# Allegro board meta_module_lay_rev1.brd (continued)
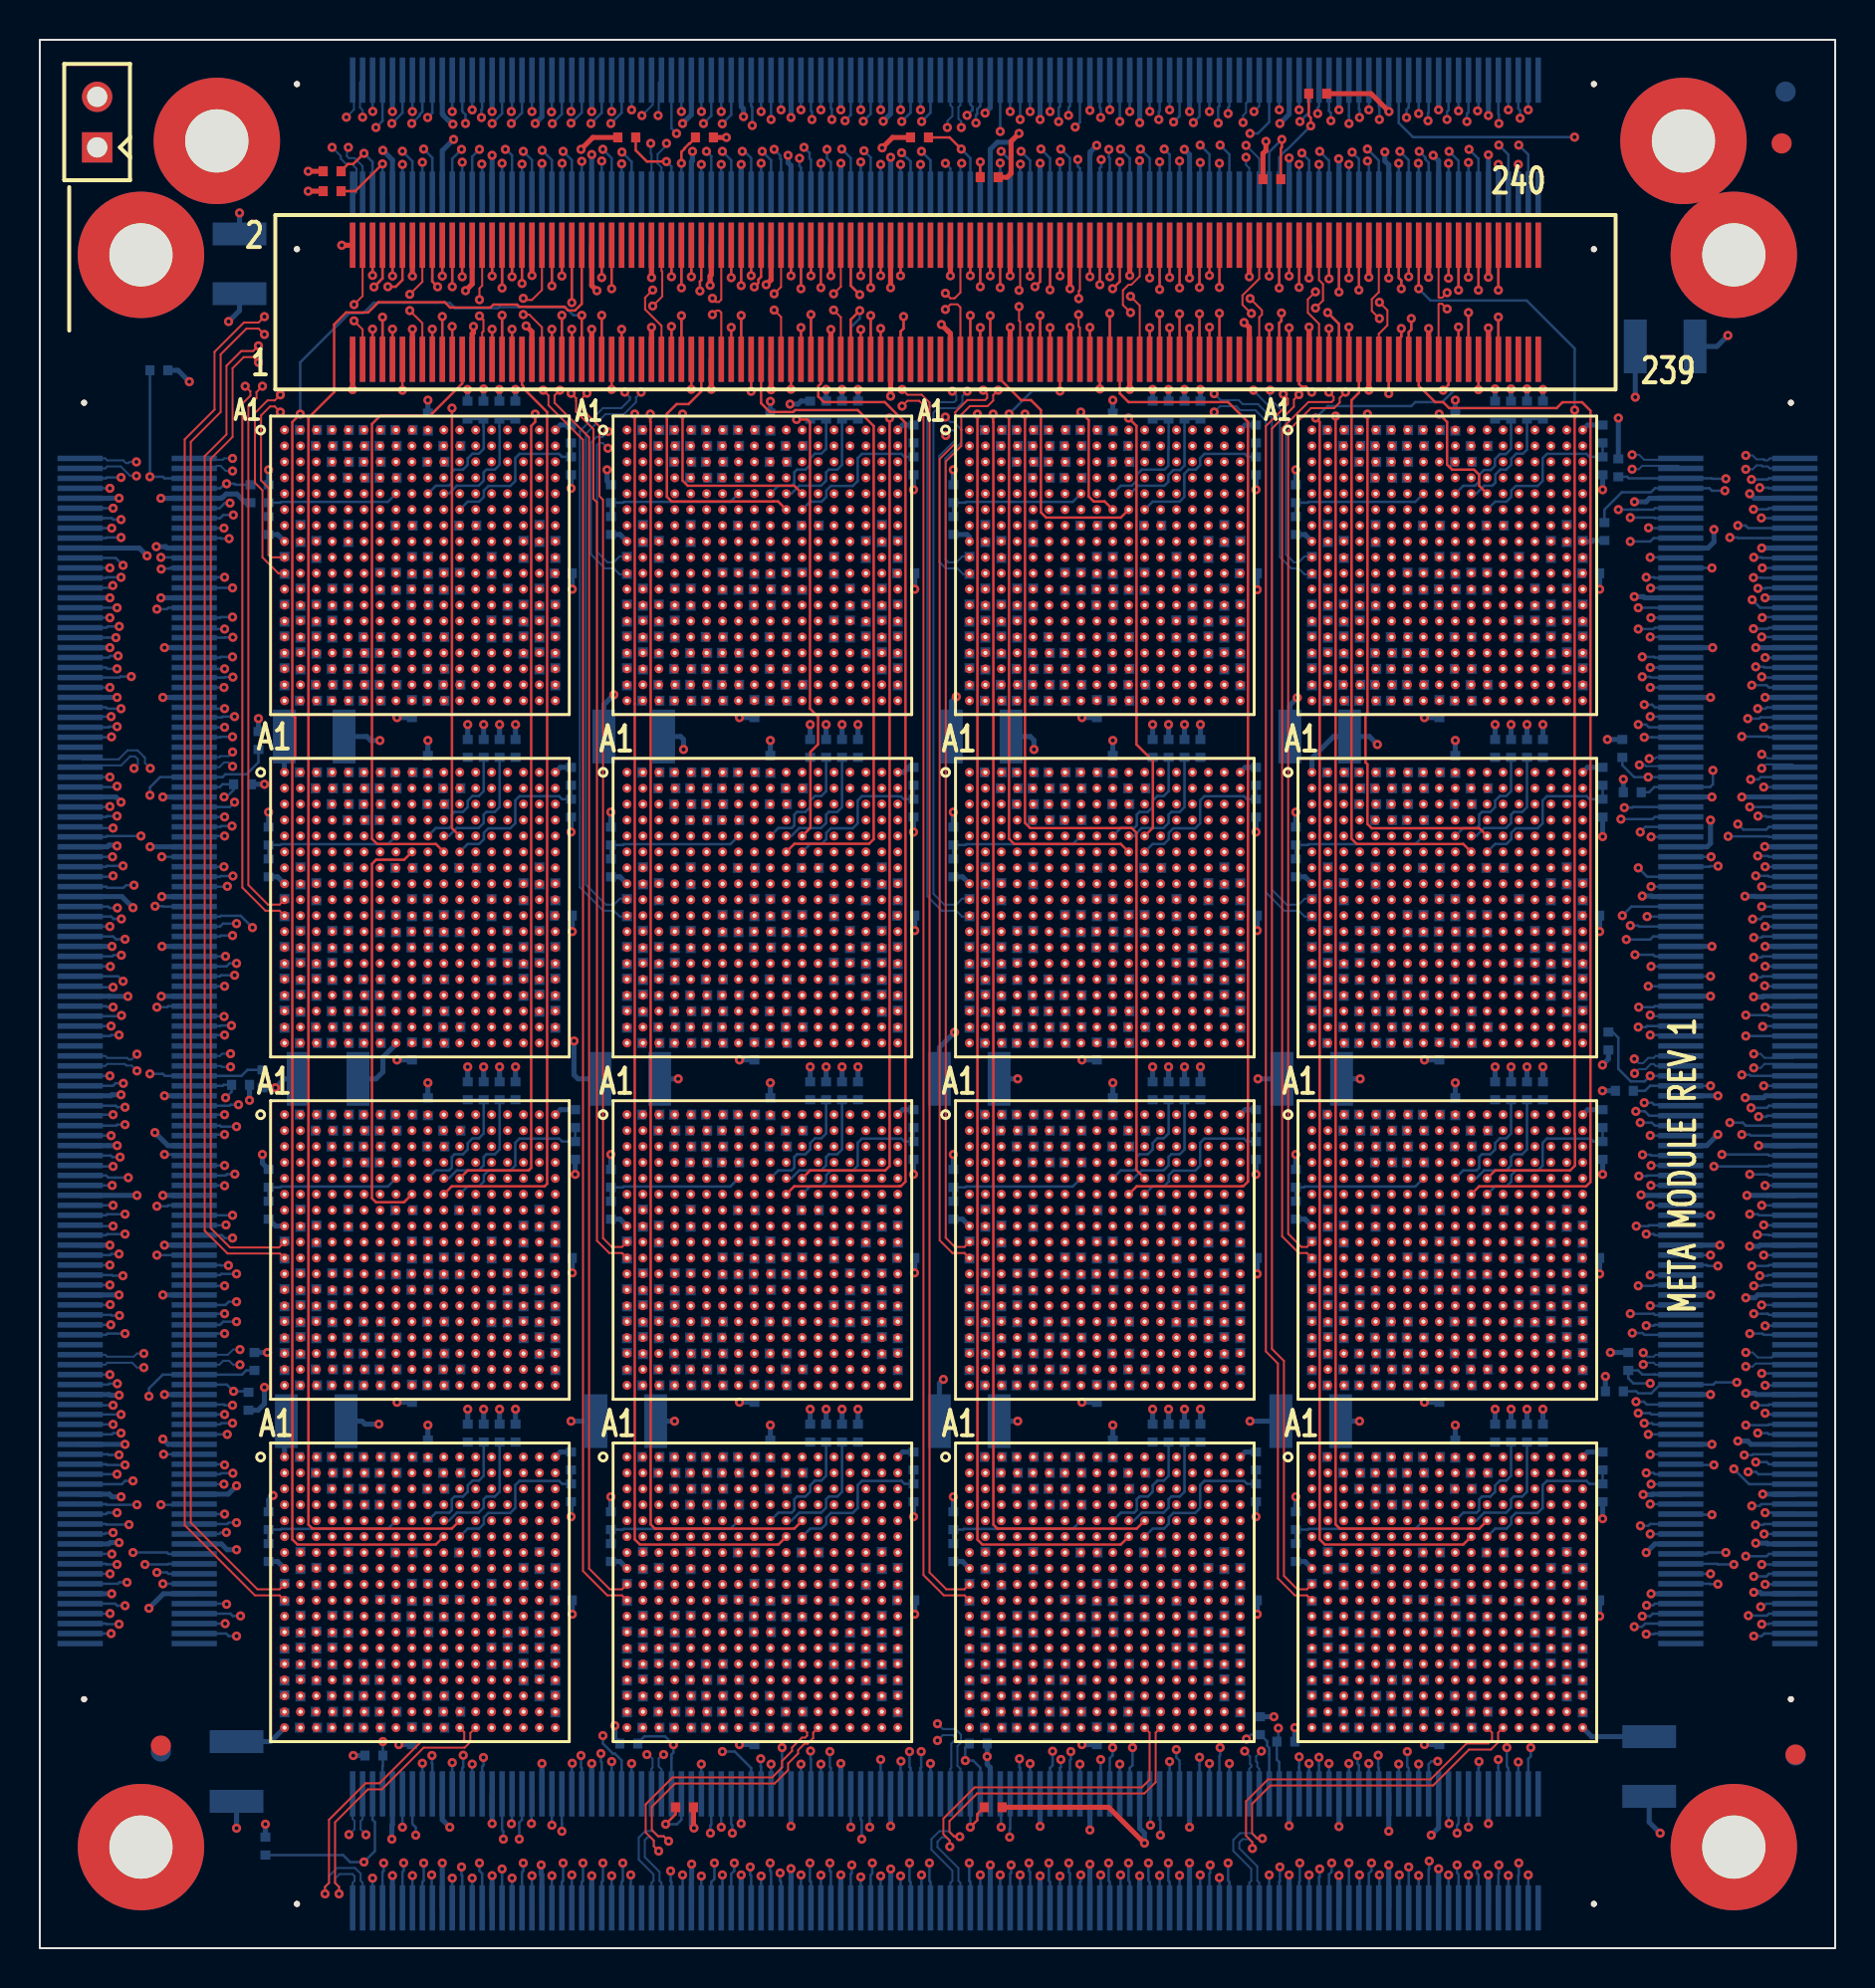
[diagram p0: board, top side]
## Nets (continued)
SN_DATA_P14_SNOW4-4: R743.1 U13.U15(SO_DATA_OUT_P6) U14.C7(NO_DATA_IN_P6)
SN_DATA_P15: R460.1 U2.V16(SO_DATA_OUT_P7) U9.D8(NO_DATA_IN_P7)
SN_DATA_P15_SNOW4-1: R61.1 U1.V16(SO_DATA_OUT_P7) U2.D8(NO_DATA_IN_P7)
SN_DATA_P15_SNOW4-2: R289.1 U5.V16(SO_DATA_OUT_P7) U6.D8(NO_DATA_IN_P7)
SN_DATA_P15_SNOW4-3: R517.1 U9.V16(SO_DATA_OUT_P7) U10.D8(NO_DATA_IN_P7)
SN_DATA_P15_SNOW4-4: R745.1 U13.V16(SO_DATA_OUT_P7) U14.D8(NO_DATA_IN_P7)
SN_DATA_P16: R799.1 U8.R11(SO_DATA_OUT_P0) U15.A3(NO_DATA_IN_P0)
SN_DATA_P17: R801.1 U8.T12(SO_DATA_OUT_P1) U15.B4(NO_DATA_IN_P1)
SN_DATA_P18: R803.1 U8.U13(SO_DATA_OUT_P2) U15.C5(NO_DATA_IN_P2)
SN_DATA_P19: R805.1 U8.V14(SO_DATA_OUT_P3) U15.D6(NO_DATA_IN_P3)
SN_DATA_P20: R807.1 U8.R13(SO_DATA_OUT_P4) U15.A5(NO_DATA_IN_P4)
SN_DATA_P21: R809.1 U8.T14(SO_DATA_OUT_P5) U15.B6(NO_DATA_IN_P5)
SN_DATA_P22: R800.1 U8.U15(SO_DATA_OUT_P6) U15.C7(NO_DATA_IN_P6)
SN_DATA_P23: R802.1 U8.V16(SO_DATA_OUT_P7) U15.D8(NO_DATA_IN_P7)
SN_DATA_P24: R685.1 U6.R11(SO_DATA_OUT_P0) U13.A3(NO_DATA_IN_P0)
SN_DATA_P25: R687.1 U6.T12(SO_DATA_OUT_P1) U13.B4(NO_DATA_IN_P1)
SN_DATA_P26: R689.1 U6.U13(SO_DATA_OUT_P2) U13.C5(NO_DATA_IN_P2)
SN_DATA_P27: R691.1 U6.V14(SO_DATA_OUT_P3) U13.D6(NO_DATA_IN_P3)
SN_DATA_P28: R693.1 U6.R13(SO_DATA_OUT_P4) U13.A5(NO_DATA_IN_P4)
SN_DATA_P29: R695.1 U6.T14(SO_DATA_OUT_P5) U13.B6(NO_DATA_IN_P5)
SN_DATA_P30: R686.1 U6.U15(SO_DATA_OUT_P6) U13.C7(NO_DATA_IN_P6)
SN_DATA_P31: R688.1 U6.V16(SO_DATA_OUT_P7) U13.D8(NO_DATA_IN_P7)
SN_FRAME_N0: R578.2 U4.R10(SO_FRAME_OUT_N) U11.B7(NO_FRAME_IN_N)
SN_FRAME_N0_SNOW4-1: R179.2 U3.R10(SO_FRAME_OUT_N) U4.B7(NO_FRAME_IN_N)
SN_FRAME_N0_SNOW4-2: R407.2 U7.R10(SO_FRAME_OUT_N) U8.B7(NO_FRAME_IN_N)
SN_FRAME_N0_SNOW4-3: R635.2 U11.R10(SO_FRAME_OUT_N) U12.B7(NO_FRAME_IN_N)
SN_FRAME_N0_SNOW4-4: R863.2 U15.R10(SO_FRAME_OUT_N) U16.B7(NO_FRAME_IN_N)
SN_FRAME_N1: R464.2 U2.R10(SO_FRAME_OUT_N) U9.B7(NO_FRAME_IN_N)
SN_FRAME_N1_SNOW4-1: R65.2 U1.R10(SO_FRAME_OUT_N) U2.B7(NO_FRAME_IN_N)
SN_FRAME_N1_SNOW4-2: R293.2 U5.R10(SO_FRAME_OUT_N) U6.B7(NO_FRAME_IN_N)
SN_FRAME_N1_SNOW4-3: R521.2 U9.R10(SO_FRAME_OUT_N) U10.B7(NO_FRAME_IN_N)
SN_FRAME_N1_SNOW4-4: R749.2 U13.R10(SO_FRAME_OUT_N) U14.B7(NO_FRAME_IN_N)
SN_FRAME_N2: R806.2 U8.R10(SO_FRAME_OUT_N) U15.B7(NO_FRAME_IN_N)
SN_FRAME_N3: R692.2 U6.R10(SO_FRAME_OUT_N) U13.B7(NO_FRAME_IN_N)
SN_FRAME_P0: R578.1 U4.R9(SO_FRAME_OUT_P) U11.B8(NO_FRAME_IN_P)
SN_FRAME_P0_SNOW4-1: R179.1 U3.R9(SO_FRAME_OUT_P) U4.B8(NO_FRAME_IN_P)
SN_FRAME_P0_SNOW4-2: R407.1 U7.R9(SO_FRAME_OUT_P) U8.B8(NO_FRAME_IN_P)
SN_FRAME_P0_SNOW4-3: R635.1 U11.R9(SO_FRAME_OUT_P) U12.B8(NO_FRAME_IN_P)
SN_FRAME_P0_SNOW4-4: R863.1 U15.R9(SO_FRAME_OUT_P) U16.B8(NO_FRAME_IN_P)
SN_FRAME_P1: R464.1 U2.R9(SO_FRAME_OUT_P) U9.B8(NO_FRAME_IN_P)
SN_FRAME_P1_SNOW4-1: R65.1 U1.R9(SO_FRAME_OUT_P) U2.B8(NO_FRAME_IN_P)
SN_FRAME_P1_SNOW4-2: R293.1 U5.R9(SO_FRAME_OUT_P) U6.B8(NO_FRAME_IN_P)
SN_FRAME_P1_SNOW4-3: R521.1 U9.R9(SO_FRAME_OUT_P) U10.B8(NO_FRAME_IN_P)
SN_FRAME_P1_SNOW4-4: R749.1 U13.R9(SO_FRAME_OUT_P) U14.B8(NO_FRAME_IN_P)
SN_FRAME_P2: R806.1 U8.R9(SO_FRAME_OUT_P) U15.B8(NO_FRAME_IN_P)
SN_FRAME_P3: R692.1 U6.R9(SO_FRAME_OUT_P) U13.B8(NO_FRAME_IN_P)
SN_LCLK_N0: R576.2 U4.V13(SO_LCLK_OUT_N) U11.A6(NO_LCLK_IN_N)
SN_LCLK_N0_SNOW4-1: R177.2 U3.V13(SO_LCLK_OUT_N) U4.A6(NO_LCLK_IN_N)
SN_LCLK_N0_SNOW4-2: R405.2 U7.V13(SO_LCLK_OUT_N) U8.A6(NO_LCLK_IN_N)
SN_LCLK_N0_SNOW4-3: R633.2 U11.V13(SO_LCLK_OUT_N) U12.A6(NO_LCLK_IN_N)
SN_LCLK_N0_SNOW4-4: R861.2 U15.V13(SO_LCLK_OUT_N) U16.A6(NO_LCLK_IN_N)
SN_LCLK_N1: R462.2 U2.V13(SO_LCLK_OUT_N) U9.A6(NO_LCLK_IN_N)
SN_LCLK_N1_SNOW4-1: R63.2 U1.V13(SO_LCLK_OUT_N) U2.A6(NO_LCLK_IN_N)
SN_LCLK_N1_SNOW4-2: R291.2 U5.V13(SO_LCLK_OUT_N) U6.A6(NO_LCLK_IN_N)
SN_LCLK_N1_SNOW4-3: R519.2 U9.V13(SO_LCLK_OUT_N) U10.A6(NO_LCLK_IN_N)
SN_LCLK_N1_SNOW4-4: R747.2 U13.V13(SO_LCLK_OUT_N) U14.A6(NO_LCLK_IN_N)
SN_LCLK_N2: R804.2 U8.V13(SO_LCLK_OUT_N) U15.A6(NO_LCLK_IN_N)
SN_LCLK_N3: R690.2 U6.V13(SO_LCLK_OUT_N) U13.A6(NO_LCLK_IN_N)
SN_LCLK_P0: R576.1 U4.V12(SO_LCLK_OUT_P) U11.A7(NO_LCLK_IN_P)
SN_LCLK_P0_SNOW4-1: R177.1 U3.V12(SO_LCLK_OUT_P) U4.A7(NO_LCLK_IN_P)
SN_LCLK_P0_SNOW4-2: R405.1 U7.V12(SO_LCLK_OUT_P) U8.A7(NO_LCLK_IN_P)
SN_LCLK_P0_SNOW4-3: R633.1 U11.V12(SO_LCLK_OUT_P) U12.A7(NO_LCLK_IN_P)
SN_LCLK_P0_SNOW4-4: R861.1 U15.V12(SO_LCLK_OUT_P) U16.A7(NO_LCLK_IN_P)
SN_LCLK_P1: R462.1 U2.V12(SO_LCLK_OUT_P) U9.A7(NO_LCLK_IN_P)
SN_LCLK_P1_SNOW4-1: R63.1 U1.V12(SO_LCLK_OUT_P) U2.A7(NO_LCLK_IN_P)
SN_LCLK_P1_SNOW4-2: R291.1 U5.V12(SO_LCLK_OUT_P) U6.A7(NO_LCLK_IN_P)
SN_LCLK_P1_SNOW4-3: R519.1 U9.V12(SO_LCLK_OUT_P) U10.A7(NO_LCLK_IN_P)
SN_LCLK_P1_SNOW4-4: R747.1 U13.V12(SO_LCLK_OUT_P) U14.A7(NO_LCLK_IN_P)
SN_LCLK_P2: R804.1 U8.V12(SO_LCLK_OUT_P) U15.A7(NO_LCLK_IN_P)
SN_LCLK_P3: R690.1 U6.V12(SO_LCLK_OUT_P) U13.A7(NO_LCLK_IN_P)
SN_WAIT_RD_N0: R580.2 U4.U10(SO_WAIT_RD_OUT_N) U11.B11(NO_WAIT_RD_IN_N)
SN_WAIT_RD_N0_SNOW4-1: R181.2 U3.U10(SO_WAIT_RD_OUT_N) U4.B11(NO_WAIT_RD_IN_N)
SN_WAIT_RD_N0_SNOW4-2: R409.2 U7.U10(SO_WAIT_RD_OUT_N) U8.B11(NO_WAIT_RD_IN_N)
SN_WAIT_RD_N0_SNOW4-3: R637.2 U11.U10(SO_WAIT_RD_OUT_N) U12.B11(NO_WAIT_RD_IN_N)
SN_WAIT_RD_N0_SNOW4-4: R865.2 U15.U10(SO_WAIT_RD_OUT_N) U16.B11(NO_WAIT_RD_IN_N)
SN_WAIT_RD_N1: R466.2 U2.U10(SO_WAIT_RD_OUT_N) U9.B11(NO_WAIT_RD_IN_N)
SN_WAIT_RD_N1_SNOW4-1: R67.2 U1.U10(SO_WAIT_RD_OUT_N) U2.B11(NO_WAIT_RD_IN_N)
SN_WAIT_RD_N1_SNOW4-2: R295.2 U5.U10(SO_WAIT_RD_OUT_N) U6.B11(NO_WAIT_RD_IN_N)
SN_WAIT_RD_N1_SNOW4-3: R523.2 U9.U10(SO_WAIT_RD_OUT_N) U10.B11(NO_WAIT_RD_IN_N)
SN_WAIT_RD_N1_SNOW4-4: R751.2 U13.U10(SO_WAIT_RD_OUT_N) U14.B11(NO_WAIT_RD_IN_N)
SN_WAIT_RD_N2: R808.2 U8.U10(SO_WAIT_RD_OUT_N) U15.B11(NO_WAIT_RD_IN_N)
SN_WAIT_RD_N3: R694.2 U6.U10(SO_WAIT_RD_OUT_N) U13.B11(NO_WAIT_RD_IN_N)
SN_WAIT_RD_P0: R580.1 U4.U9(SO_WAIT_RD_OUT_P) U11.B12(NO_WAIT_RD_IN_P)
SN_WAIT_RD_P0_SNOW4-1: R181.1 U3.U9(SO_WAIT_RD_OUT_P) U4.B12(NO_WAIT_RD_IN_P)
SN_WAIT_RD_P0_SNOW4-2: R409.1 U7.U9(SO_WAIT_RD_OUT_P) U8.B12(NO_WAIT_RD_IN_P)
SN_WAIT_RD_P0_SNOW4-3: R637.1 U11.U9(SO_WAIT_RD_OUT_P) U12.B12(NO_WAIT_RD_IN_P)
SN_WAIT_RD_P0_SNOW4-4: R865.1 U15.U9(SO_WAIT_RD_OUT_P) U16.B12(NO_WAIT_RD_IN_P)
SN_WAIT_RD_P1: R466.1 U2.U9(SO_WAIT_RD_OUT_P) U9.B12(NO_WAIT_RD_IN_P)
SN_WAIT_RD_P1_SNOW4-1: R67.1 U1.U9(SO_WAIT_RD_OUT_P) U2.B12(NO_WAIT_RD_IN_P)
SN_WAIT_RD_P1_SNOW4-2: R295.1 U5.U9(SO_WAIT_RD_OUT_P) U6.B12(NO_WAIT_RD_IN_P)
SN_WAIT_RD_P1_SNOW4-3: R523.1 U9.U9(SO_WAIT_RD_OUT_P) U10.B12(NO_WAIT_RD_IN_P)
SN_WAIT_RD_P1_SNOW4-4: R751.1 U13.U9(SO_WAIT_RD_OUT_P) U14.B12(NO_WAIT_RD_IN_P)
SN_WAIT_RD_P2: R808.1 U8.U9(SO_WAIT_RD_OUT_P) U15.B12(NO_WAIT_RD_IN_P)
SN_WAIT_RD_P3: R694.1 U6.U9(SO_WAIT_RD_OUT_P) U13.B12(NO_WAIT_RD_IN_P)
SN_WAIT_WR_N0: R582.2 U4.T9(SO_WAIT_WR_OUT_N) U11.C10(NO_WAIT_WR_IN_N)
SN_WAIT_WR_N0_SNOW4-1: R183.2 U3.T9(SO_WAIT_WR_OUT_N) U4.C10(NO_WAIT_WR_IN_N)
SN_WAIT_WR_N0_SNOW4-2: R411.2 U7.T9(SO_WAIT_WR_OUT_N) U8.C10(NO_WAIT_WR_IN_N)
SN_WAIT_WR_N0_SNOW4-3: R639.2 U11.T9(SO_WAIT_WR_OUT_N) U12.C10(NO_WAIT_WR_IN_N)
SN_WAIT_WR_N0_SNOW4-4: R867.2 U15.T9(SO_WAIT_WR_OUT_N) U16.C10(NO_WAIT_WR_IN_N)
SN_WAIT_WR_N1: R468.2 U2.T9(SO_WAIT_WR_OUT_N) U9.C10(NO_WAIT_WR_IN_N)
SN_WAIT_WR_N1_SNOW4-1: R69.2 U1.T9(SO_WAIT_WR_OUT_N) U2.C10(NO_WAIT_WR_IN_N)
SN_WAIT_WR_N1_SNOW4-2: R297.2 U5.T9(SO_WAIT_WR_OUT_N) U6.C10(NO_WAIT_WR_IN_N)
SN_WAIT_WR_N1_SNOW4-3: R525.2 U9.T9(SO_WAIT_WR_OUT_N) U10.C10(NO_WAIT_WR_IN_N)
SN_WAIT_WR_N1_SNOW4-4: R753.2 U13.T9(SO_WAIT_WR_OUT_N) U14.C10(NO_WAIT_WR_IN_N)
SN_WAIT_WR_N2: R810.2 U8.T9(SO_WAIT_WR_OUT_N) U15.C10(NO_WAIT_WR_IN_N)
SN_WAIT_WR_N3: R696.2 U6.T9(SO_WAIT_WR_OUT_N) U13.C10(NO_WAIT_WR_IN_N)
SN_WAIT_WR_P0: R582.1 U4.T8(SO_WAIT_WR_OUT_P) U11.C11(NO_WAIT_WR_IN_P)
SN_WAIT_WR_P0_SNOW4-1: R183.1 U3.T8(SO_WAIT_WR_OUT_P) U4.C11(NO_WAIT_WR_IN_P)
SN_WAIT_WR_P0_SNOW4-2: R411.1 U7.T8(SO_WAIT_WR_OUT_P) U8.C11(NO_WAIT_WR_IN_P)
SN_WAIT_WR_P0_SNOW4-3: R639.1 U11.T8(SO_WAIT_WR_OUT_P) U12.C11(NO_WAIT_WR_IN_P)
SN_WAIT_WR_P0_SNOW4-4: R867.1 U15.T8(SO_WAIT_WR_OUT_P) U16.C11(NO_WAIT_WR_IN_P)
SN_WAIT_WR_P1: R468.1 U2.T8(SO_WAIT_WR_OUT_P) U9.C11(NO_WAIT_WR_IN_P)
SN_WAIT_WR_P1_SNOW4-1: R69.1 U1.T8(SO_WAIT_WR_OUT_P) U2.C11(NO_WAIT_WR_IN_P)
SN_WAIT_WR_P1_SNOW4-2: R297.1 U5.T8(SO_WAIT_WR_OUT_P) U6.C11(NO_WAIT_WR_IN_P)
SN_WAIT_WR_P1_SNOW4-3: R525.1 U9.T8(SO_WAIT_WR_OUT_P) U10.C11(NO_WAIT_WR_IN_P)
SN_WAIT_WR_P1_SNOW4-4: R753.1 U13.T8(SO_WAIT_WR_OUT_P) U14.C11(NO_WAIT_WR_IN_P)
SN_WAIT_WR_P2: R810.1 U8.T8(SO_WAIT_WR_OUT_P) U15.C11(NO_WAIT_WR_IN_P)
SN_WAIT_WR_P3: R696.1 U6.T8(SO_WAIT_WR_OUT_P) U13.C11(NO_WAIT_WR_IN_P)
SO_DATA_IN_N0: J5.21 R666.2 U12.V3(SO_DATA_IN_N0)
SO_DATA_IN_N1: J5.25 R668.2 U12.U4(SO_DATA_IN_N1)
SO_DATA_IN_N2: J5.31 R664.2 U12.T5(SO_DATA_IN_N2)
SO_DATA_IN_N3: J5.35 R670.2 U12.R6(SO_DATA_IN_N3)
SO_DATA_IN_N4: J5.41 R672.2 U12.V5(SO_DATA_IN_N4)
SO_DATA_IN_N5: J5.45 R674.2 U12.U6(SO_DATA_IN_N5)
SO_DATA_IN_N6: J5.51 R667.2 U12.T7(SO_DATA_IN_N6)
SO_DATA_IN_N7: J5.55 R669.2 U12.R8(SO_DATA_IN_N7)
SO_DATA_IN_N8: J5.81(21) R552.2 U10.V3(SO_DATA_IN_N0)
SO_DATA_IN_N9: J5.85(25) R554.2 U10.U4(SO_DATA_IN_N1)
SO_DATA_IN_N10: J5.91(31) R550.2 U10.T5(SO_DATA_IN_N2)
SO_DATA_IN_N11: J5.95(35) R556.2 U10.R6(SO_DATA_IN_N3)
SO_DATA_IN_N12: J5.101(41) R558.2 U10.V5(SO_DATA_IN_N4)
SO_DATA_IN_N13: J5.105(45) R560.2 U10.U6(SO_DATA_IN_N5)
SO_DATA_IN_N14: J5.111(51) R553.2 U10.T7(SO_DATA_IN_N6)
SO_DATA_IN_N15: J5.115(55) R555.2 U10.R8(SO_DATA_IN_N7)
SO_DATA_IN_N16: J5.141(21) R894.2 U16.V3(SO_DATA_IN_N0)
SO_DATA_IN_N17: J5.145(25) R896.2 U16.U4(SO_DATA_IN_N1)
SO_DATA_IN_N18: J5.151(31) R892.2 U16.T5(SO_DATA_IN_N2)
SO_DATA_IN_N19: J5.155(35) R898.2 U16.R6(SO_DATA_IN_N3)
SO_DATA_IN_N20: J5.161(41) R900.2 U16.V5(SO_DATA_IN_N4)
SO_DATA_IN_N21: J5.165(45) R902.2 U16.U6(SO_DATA_IN_N5)
SO_DATA_IN_N22: J5.171(51) R895.2 U16.T7(SO_DATA_IN_N6)
SO_DATA_IN_N23: J5.175(55) R897.2 U16.R8(SO_DATA_IN_N7)
SO_DATA_IN_N24: J5.201(21) R780.2 U14.V3(SO_DATA_IN_N0)
SO_DATA_IN_N25: J5.205(25) R782.2 U14.U4(SO_DATA_IN_N1)
SO_DATA_IN_N26: J5.211(31) R778.2 U14.T5(SO_DATA_IN_N2)
SO_DATA_IN_N27: J5.215(35) R784.2 U14.R6(SO_DATA_IN_N3)
SO_DATA_IN_N28: J5.221(41) R786.2 U14.V5(SO_DATA_IN_N4)
SO_DATA_IN_N29: J5.225(45) R788.2 U14.U6(SO_DATA_IN_N5)
SO_DATA_IN_N30: J5.231(51) R781.2 U14.T7(SO_DATA_IN_N6)
SO_DATA_IN_N31: J5.235(55) R783.2 U14.R8(SO_DATA_IN_N7)
SO_DATA_IN_P0: J5.23 R666.1 U12.V2(SO_DATA_IN_P0)
SO_DATA_IN_P1: J5.27 R668.1 U12.U3(SO_DATA_IN_P1)
SO_DATA_IN_P2: J5.33 R664.1 U12.T4(SO_DATA_IN_P2)
SO_DATA_IN_P3: J5.37 R670.1 U12.R5(SO_DATA_IN_P3)
SO_DATA_IN_P4: J5.43 R672.1 U12.V4(SO_DATA_IN_P4)
SO_DATA_IN_P5: J5.47 R674.1 U12.U5(SO_DATA_IN_P5)
SO_DATA_IN_P6: J5.53 R667.1 U12.T6(SO_DATA_IN_P6)
SO_DATA_IN_P7: J5.57 R669.1 U12.R7(SO_DATA_IN_P7)
SO_DATA_IN_P8: J5.83(23) R552.1 U10.V2(SO_DATA_IN_P0)
SO_DATA_IN_P9: J5.87(27) R554.1 U10.U3(SO_DATA_IN_P1)
SO_DATA_IN_P10: J5.93(33) R550.1 U10.T4(SO_DATA_IN_P2)
SO_DATA_IN_P11: J5.97(37) R556.1 U10.R5(SO_DATA_IN_P3)
SO_DATA_IN_P12: J5.103(43) R558.1 U10.V4(SO_DATA_IN_P4)
SO_DATA_IN_P13: J5.107(47) R560.1 U10.U5(SO_DATA_IN_P5)
SO_DATA_IN_P14: J5.113(53) R553.1 U10.T6(SO_DATA_IN_P6)
SO_DATA_IN_P15: J5.117(57) R555.1 U10.R7(SO_DATA_IN_P7)
SO_DATA_IN_P16: J5.143(23) R894.1 U16.V2(SO_DATA_IN_P0)
SO_DATA_IN_P17: J5.147(27) R896.1 U16.U3(SO_DATA_IN_P1)
SO_DATA_IN_P18: J5.153(33) R892.1 U16.T4(SO_DATA_IN_P2)
SO_DATA_IN_P19: J5.157(37) R898.1 U16.R5(SO_DATA_IN_P3)
SO_DATA_IN_P20: J5.163(43) R900.1 U16.V4(SO_DATA_IN_P4)
SO_DATA_IN_P21: J5.167(47) R902.1 U16.U5(SO_DATA_IN_P5)
SO_DATA_IN_P22: J5.173(53) R895.1 U16.T6(SO_DATA_IN_P6)
SO_DATA_IN_P23: J5.177(57) R897.1 U16.R7(SO_DATA_IN_P7)
SO_DATA_IN_P24: J5.203(23) R780.1 U14.V2(SO_DATA_IN_P0)
SO_DATA_IN_P25: J5.207(27) R782.1 U14.U3(SO_DATA_IN_P1)
SO_DATA_IN_P26: J5.213(33) R778.1 U14.T4(SO_DATA_IN_P2)
SO_DATA_IN_P27: J5.217(37) R784.1 U14.R5(SO_DATA_IN_P3)
SO_DATA_IN_P28: J5.223(43) R786.1 U14.V4(SO_DATA_IN_P4)
SO_DATA_IN_P29: J5.227(47) R788.1 U14.U5(SO_DATA_IN_P5)
SO_DATA_IN_P30: J5.233(53) R781.1 U14.T6(SO_DATA_IN_P6)
SO_DATA_IN_P31: J5.237(57) R783.1 U14.R7(SO_DATA_IN_P7)
SO_DATA_OUT_N0: J5.22 U12.R12(SO_DATA_OUT_N0)
SO_DATA_OUT_N1: J5.26 U12.T13(SO_DATA_OUT_N1)
SO_DATA_OUT_N2: J5.32 U12.U14(SO_DATA_OUT_N2)
SO_DATA_OUT_N3: J5.36 U12.V15(SO_DATA_OUT_N3)
SO_DATA_OUT_N4: J5.42 U12.R14(SO_DATA_OUT_N4)
SO_DATA_OUT_N5: J5.46 U12.T15(SO_DATA_OUT_N5)
SO_DATA_OUT_N6: J5.52 U12.U16(SO_DATA_OUT_N6)
SO_DATA_OUT_N7: J5.56 U12.V17(SO_DATA_OUT_N7)
SO_DATA_OUT_N8: J5.82(22) U10.R12(SO_DATA_OUT_N0)
SO_DATA_OUT_N9: J5.86(26) U10.T13(SO_DATA_OUT_N1)
SO_DATA_OUT_N10: J5.92(32) U10.U14(SO_DATA_OUT_N2)
SO_DATA_OUT_N11: J5.96(36) U10.V15(SO_DATA_OUT_N3)
SO_DATA_OUT_N12: J5.102(42) U10.R14(SO_DATA_OUT_N4)
SO_DATA_OUT_N13: J5.106(46) U10.T15(SO_DATA_OUT_N5)
SO_DATA_OUT_N14: J5.112(52) U10.U16(SO_DATA_OUT_N6)
SO_DATA_OUT_N15: J5.116(56) U10.V17(SO_DATA_OUT_N7)
SO_DATA_OUT_N16: J5.142(22) U16.R12(SO_DATA_OUT_N0)
SO_DATA_OUT_N17: J5.146(26) U16.T13(SO_DATA_OUT_N1)
SO_DATA_OUT_N18: J5.152(32) U16.U14(SO_DATA_OUT_N2)
SO_DATA_OUT_N19: J5.156(36) U16.V15(SO_DATA_OUT_N3)
SO_DATA_OUT_N20: J5.162(42) U16.R14(SO_DATA_OUT_N4)
SO_DATA_OUT_N21: J5.166(46) U16.T15(SO_DATA_OUT_N5)
SO_DATA_OUT_N22: J5.172(52) U16.U16(SO_DATA_OUT_N6)
SO_DATA_OUT_N23: J5.176(56) U16.V17(SO_DATA_OUT_N7)
SO_DATA_OUT_N24: J5.202(22) U14.R12(SO_DATA_OUT_N0)
SO_DATA_OUT_N25: J5.206(26) U14.T13(SO_DATA_OUT_N1)
SO_DATA_OUT_N26: J5.212(32) U14.U14(SO_DATA_OUT_N2)
SO_DATA_OUT_N27: J5.216(36) U14.V15(SO_DATA_OUT_N3)
SO_DATA_OUT_N28: J5.222(42) U14.R14(SO_DATA_OUT_N4)
SO_DATA_OUT_N29: J5.226(46) U14.T15(SO_DATA_OUT_N5)
SO_DATA_OUT_N30: J5.232(52) U14.U16(SO_DATA_OUT_N6)
SO_DATA_OUT_N31: J5.236(56) U14.V17(SO_DATA_OUT_N7)
SO_DATA_OUT_P0: J5.24 U12.R11(SO_DATA_OUT_P0)
SO_DATA_OUT_P1: J5.28 U12.T12(SO_DATA_OUT_P1)
SO_DATA_OUT_P2: J5.34 U12.U13(SO_DATA_OUT_P2)
SO_DATA_OUT_P3: J5.38 U12.V14(SO_DATA_OUT_P3)
SO_DATA_OUT_P4: J5.44 U12.R13(SO_DATA_OUT_P4)
SO_DATA_OUT_P5: J5.48 U12.T14(SO_DATA_OUT_P5)
SO_DATA_OUT_P6: J5.54 U12.U15(SO_DATA_OUT_P6)
SO_DATA_OUT_P7: J5.58 U12.V16(SO_DATA_OUT_P7)
SO_DATA_OUT_P8: J5.84(24) U10.R11(SO_DATA_OUT_P0)
SO_DATA_OUT_P9: J5.88(28) U10.T12(SO_DATA_OUT_P1)
SO_DATA_OUT_P10: J5.94(34) U10.U13(SO_DATA_OUT_P2)
SO_DATA_OUT_P11: J5.98(38) U10.V14(SO_DATA_OUT_P3)
SO_DATA_OUT_P12: J5.104(44) U10.R13(SO_DATA_OUT_P4)
SO_DATA_OUT_P13: J5.108(48) U10.T14(SO_DATA_OUT_P5)
SO_DATA_OUT_P14: J5.114(54) U10.U15(SO_DATA_OUT_P6)
SO_DATA_OUT_P15: J5.118(58) U10.V16(SO_DATA_OUT_P7)
SO_DATA_OUT_P16: J5.144(24) U16.R11(SO_DATA_OUT_P0)
SO_DATA_OUT_P17: J5.148(28) U16.T12(SO_DATA_OUT_P1)
SO_DATA_OUT_P18: J5.154(34) U16.U13(SO_DATA_OUT_P2)
SO_DATA_OUT_P19: J5.158(38) U16.V14(SO_DATA_OUT_P3)
SO_DATA_OUT_P20: J5.164(44) U16.R13(SO_DATA_OUT_P4)
SO_DATA_OUT_P21: J5.168(48) U16.T14(SO_DATA_OUT_P5)
SO_DATA_OUT_P22: J5.174(54) U16.U15(SO_DATA_OUT_P6)
SO_DATA_OUT_P23: J5.178(58) U16.V16(SO_DATA_OUT_P7)
SO_DATA_OUT_P24: J5.204(24) U14.R11(SO_DATA_OUT_P0)
SO_DATA_OUT_P25: J5.208(28) U14.T12(SO_DATA_OUT_P1)
SO_DATA_OUT_P26: J5.214(34) U14.U13(SO_DATA_OUT_P2)
SO_DATA_OUT_P27: J5.218(38) U14.V14(SO_DATA_OUT_P3)
SO_DATA_OUT_P28: J5.224(44) U14.R13(SO_DATA_OUT_P4)
SO_DATA_OUT_P29: J5.228(48) U14.T14(SO_DATA_OUT_P5)
SO_DATA_OUT_P30: J5.234(54) U14.U15(SO_DATA_OUT_P6)
SO_DATA_OUT_P31: J5.238(58) U14.V16(SO_DATA_OUT_P7)
SO_FRAME_IN_N0: J5.5 R671.2 R1009.1 U12.U8(SO_FRAME_IN_N)
SO_FRAME_IN_N1: J5.65(5) R557.2 R1010.1 U10.U8(SO_FRAME_IN_N)
SO_FRAME_IN_N2: J5.125(5) R899.2 R1011.1 U16.U8(SO_FRAME_IN_N)
SO_FRAME_IN_N3: J5.185(5) R785.2 R1012.1 U14.U8(SO_FRAME_IN_N)
SO_FRAME_IN_P0: J5.7 R671.1 R1013.2 U12.U7(SO_FRAME_IN_P)
SO_FRAME_IN_P1: J5.67(7) R557.1 R1014.2 U10.U7(SO_FRAME_IN_P)
SO_FRAME_IN_P2: J5.127(7) R899.1 R1015.2 U16.U7(SO_FRAME_IN_P)
SO_FRAME_IN_P3: J5.187(7) R785.1 R1016.2 U14.U7(SO_FRAME_IN_P)
SO_FRAME_OUT_N0: J5.6 U12.R10(SO_FRAME_OUT_N)
SO_FRAME_OUT_N1: J5.66(6) U10.R10(SO_FRAME_OUT_N)
SO_FRAME_OUT_N2: J5.126(6) U16.R10(SO_FRAME_OUT_N)
SO_FRAME_OUT_N3: J5.186(6) U14.R10(SO_FRAME_OUT_N)
SO_FRAME_OUT_P0: J5.8 U12.R9(SO_FRAME_OUT_P)
SO_FRAME_OUT_P1: J5.68(8) U10.R9(SO_FRAME_OUT_P)
SO_FRAME_OUT_P2: J5.128(8) U16.R9(SO_FRAME_OUT_P)
SO_FRAME_OUT_P3: J5.188(8) U14.R9(SO_FRAME_OUT_P)
SO_LCLK_IN_N0: J5.1 R665.2 U12.V7(SO_LCLK_IN_N)
SO_LCLK_IN_N1: J5.61(1) R551.2 U10.V7(SO_LCLK_IN_N)
SO_LCLK_IN_N2: J5.121(1) R893.2 U16.V7(SO_LCLK_IN_N)
SO_LCLK_IN_N3: J5.181(1) R779.2 U14.V7(SO_LCLK_IN_N)
SO_LCLK_IN_P0: J5.3 R665.1 U12.V6(SO_LCLK_IN_P)
SO_LCLK_IN_P1: J5.63(3) R551.1 U10.V6(SO_LCLK_IN_P)
SO_LCLK_IN_P2: J5.123(3) R893.1 U16.V6(SO_LCLK_IN_P)
SO_LCLK_IN_P3: J5.183(3) R779.1 U14.V6(SO_LCLK_IN_P)
SO_LCLK_OUT_N0: J5.2 U12.V13(SO_LCLK_OUT_N)
SO_LCLK_OUT_N1: J5.62(2) U10.V13(SO_LCLK_OUT_N)
SO_LCLK_OUT_N2: J5.122(2) U16.V13(SO_LCLK_OUT_N)
SO_LCLK_OUT_N3: J5.182(2) U14.V13(SO_LCLK_OUT_N)
SO_LCLK_OUT_P0: J5.4 U12.V12(SO_LCLK_OUT_P)
SO_LCLK_OUT_P1: J5.64(4) U10.V12(SO_LCLK_OUT_P)
SO_LCLK_OUT_P2: J5.124(4) U16.V12(SO_LCLK_OUT_P)
SO_LCLK_OUT_P3: J5.184(4) U14.V12(SO_LCLK_OUT_P)
SO_WAIT_RD_IN_N0: J5.16 R673.2 U12.U12(SO_WAIT_RD_IN_N)
SO_WAIT_RD_IN_N1: J5.76(16) R559.2 U10.U12(SO_WAIT_RD_IN_N)
SO_WAIT_RD_IN_N2: J5.136(16) R901.2 U16.U12(SO_WAIT_RD_IN_N)
SO_WAIT_RD_IN_N3: J5.196(16) R787.2 U14.U12(SO_WAIT_RD_IN_N)
SO_WAIT_RD_IN_P0: J5.18 R673.1 U12.U11(SO_WAIT_RD_IN_P)
SO_WAIT_RD_IN_P1: J5.78(18) R559.1 U10.U11(SO_WAIT_RD_IN_P)
SO_WAIT_RD_IN_P2: J5.138(18) R901.1 U16.U11(SO_WAIT_RD_IN_P)
SO_WAIT_RD_IN_P3: J5.198(18) R787.1 U14.U11(SO_WAIT_RD_IN_P)
SO_WAIT_RD_OUT_N0: J5.15 U12.U10(SO_WAIT_RD_OUT_N)
SO_WAIT_RD_OUT_N1: J5.75(15) U10.U10(SO_WAIT_RD_OUT_N)
SO_WAIT_RD_OUT_N2: J5.135(15) U16.U10(SO_WAIT_RD_OUT_N)
SO_WAIT_RD_OUT_N3: J5.195(15) U14.U10(SO_WAIT_RD_OUT_N)
SO_WAIT_RD_OUT_P0: J5.17 U12.U9(SO_WAIT_RD_OUT_P)
SO_WAIT_RD_OUT_P1: J5.77(17) U10.U9(SO_WAIT_RD_OUT_P)
SO_WAIT_RD_OUT_P2: J5.137(17) U16.U9(SO_WAIT_RD_OUT_P)
SO_WAIT_RD_OUT_P3: J5.197(17) U14.U9(SO_WAIT_RD_OUT_P)
SO_WAIT_WR_IN_N0: J5.12 R675.2 U12.T11(SO_WAIT_WR_IN_N)
SO_WAIT_WR_IN_N1: J5.72(12) R561.2 U10.T11(SO_WAIT_WR_IN_N)
SO_WAIT_WR_IN_N2: J5.132(12) R903.2 U16.T11(SO_WAIT_WR_IN_N)
SO_WAIT_WR_IN_N3: J5.192(12) R789.2 U14.T11(SO_WAIT_WR_IN_N)
SO_WAIT_WR_IN_P0: J5.14 R675.1 U12.T10(SO_WAIT_WR_IN_P)
SO_WAIT_WR_IN_P1: J5.74(14) R561.1 U10.T10(SO_WAIT_WR_IN_P)
SO_WAIT_WR_IN_P2: J5.134(14) R903.1 U16.T10(SO_WAIT_WR_IN_P)
SO_WAIT_WR_IN_P3: J5.194(14) R789.1 U14.T10(SO_WAIT_WR_IN_P)
SO_WAIT_WR_OUT_N0: J5.11 U12.T9(SO_WAIT_WR_OUT_N)
SO_WAIT_WR_OUT_N1: J5.71(11) U10.T9(SO_WAIT_WR_OUT_N)
SO_WAIT_WR_OUT_N2: J5.131(11) U16.T9(SO_WAIT_WR_OUT_N)
SO_WAIT_WR_OUT_N3: J5.191(11) U14.T9(SO_WAIT_WR_OUT_N)
SO_WAIT_WR_OUT_P0: J5.13 U12.T8(SO_WAIT_WR_OUT_P)
SO_WAIT_WR_OUT_P1: J5.73(13) U10.T8(SO_WAIT_WR_OUT_P)
SO_WAIT_WR_OUT_P2: J5.133(13) U16.T8(SO_WAIT_WR_OUT_P)
SO_WAIT_WR_OUT_P3: J5.193(13) U14.T8(SO_WAIT_WR_OUT_P)
WE_DATA_IN_N0: J6.21 R139.2 U3.U1(WE_DATA_IN_N0)
WE_DATA_IN_N1: J6.25 R141.2 U3.T2(WE_DATA_IN_N1)
WE_DATA_IN_N2: J6.31 R143.2 U3.R3(WE_DATA_IN_N2)
WE_DATA_IN_N3: J6.35 R145.2 U3.P4(WE_DATA_IN_N3)
WE_DATA_IN_N4: J6.41 R147.2 U3.R1(WE_DATA_IN_N4)
WE_DATA_IN_N5: J6.45 R149.2 U3.P2(WE_DATA_IN_N5)
WE_DATA_IN_N6: J6.51 R140.2 U3.N3(WE_DATA_IN_N6)
WE_DATA_IN_N7: J6.55 R142.2 U3.M4(WE_DATA_IN_N7)
WE_DATA_IN_N8: J6.81(21) R196.2 U4.U1(WE_DATA_IN_N0)
WE_DATA_IN_N9: J6.85(25) R198.2 U4.T2(WE_DATA_IN_N1)
WE_DATA_IN_N10: J6.91(31) R200.2 U4.R3(WE_DATA_IN_N2)
WE_DATA_IN_N11: J6.95(35) R202.2 U4.P4(WE_DATA_IN_N3)
WE_DATA_IN_N12: J6.101(41) R204.2 U4.R1(WE_DATA_IN_N4)
WE_DATA_IN_N13: J6.105(45) R206.2 U4.P2(WE_DATA_IN_N5)
WE_DATA_IN_N14: J6.111(51) R197.2 U4.N3(WE_DATA_IN_N6)
WE_DATA_IN_N15: J6.115(55) R199.2 U4.M4(WE_DATA_IN_N7)
WE_DATA_IN_N16: J6.141(21) R595.2 U11.U1(WE_DATA_IN_N0)
WE_DATA_IN_N17: J6.145(25) R597.2 U11.T2(WE_DATA_IN_N1)
WE_DATA_IN_N18: J6.151(31) R599.2 U11.R3(WE_DATA_IN_N2)
WE_DATA_IN_N19: J6.155(35) R601.2 U11.P4(WE_DATA_IN_N3)
WE_DATA_IN_N20: J6.161(41) R603.2 U11.R1(WE_DATA_IN_N4)
WE_DATA_IN_N21: J6.165(45) R605.2 U11.P2(WE_DATA_IN_N5)
WE_DATA_IN_N22: J6.171(51) R596.2 U11.N3(WE_DATA_IN_N6)
WE_DATA_IN_N23: J6.175(55) R598.2 U11.M4(WE_DATA_IN_N7)
WE_DATA_IN_N24: J6.201(21) R652.2 U12.U1(WE_DATA_IN_N0)
WE_DATA_IN_N25: J6.205(25) R654.2 U12.T2(WE_DATA_IN_N1)
WE_DATA_IN_N26: J6.211(31) R656.2 U12.R3(WE_DATA_IN_N2)
WE_DATA_IN_N27: J6.215(35) R658.2 U12.P4(WE_DATA_IN_N3)
WE_DATA_IN_N28: J6.221(41) R660.2 U12.R1(WE_DATA_IN_N4)
WE_DATA_IN_N29: J6.225(45) R662.2 U12.P2(WE_DATA_IN_N5)
WE_DATA_IN_N30: J6.231(51) R653.2 U12.N3(WE_DATA_IN_N6)
WE_DATA_IN_N31: J6.235(55) R655.2 U12.M4(WE_DATA_IN_N7)
WE_DATA_IN_P0: J6.23 R139.1 U3.T1(WE_DATA_IN_P0)
WE_DATA_IN_P1: J6.27 R141.1 U3.R2(WE_DATA_IN_P1)
WE_DATA_IN_P2: J6.33 R143.1 U3.P3(WE_DATA_IN_P2)
WE_DATA_IN_P3: J6.37 R145.1 U3.N4(WE_DATA_IN_P3)
WE_DATA_IN_P4: J6.43 R147.1 U3.P1(WE_DATA_IN_P4)
WE_DATA_IN_P5: J6.47 R149.1 U3.N2(WE_DATA_IN_P5)
WE_DATA_IN_P6: J6.53 R140.1 U3.M3(WE_DATA_IN_P6)
WE_DATA_IN_P7: J6.57 R142.1 U3.L4(WE_DATA_IN_P7)
WE_DATA_IN_P8: J6.83(23) R196.1 U4.T1(WE_DATA_IN_P0)
WE_DATA_IN_P9: J6.87(27) R198.1 U4.R2(WE_DATA_IN_P1)
WE_DATA_IN_P10: J6.93(33) R200.1 U4.P3(WE_DATA_IN_P2)
WE_DATA_IN_P11: J6.97(37) R202.1 U4.N4(WE_DATA_IN_P3)
WE_DATA_IN_P12: J6.103(43) R204.1 U4.P1(WE_DATA_IN_P4)
WE_DATA_IN_P13: J6.107(47) R206.1 U4.N2(WE_DATA_IN_P5)
WE_DATA_IN_P14: J6.113(53) R197.1 U4.M3(WE_DATA_IN_P6)
WE_DATA_IN_P15: J6.117(57) R199.1 U4.L4(WE_DATA_IN_P7)
WE_DATA_IN_P16: J6.143(23) R595.1 U11.T1(WE_DATA_IN_P0)
WE_DATA_IN_P17: J6.147(27) R597.1 U11.R2(WE_DATA_IN_P1)
WE_DATA_IN_P18: J6.153(33) R599.1 U11.P3(WE_DATA_IN_P2)
WE_DATA_IN_P19: J6.157(37) R601.1 U11.N4(WE_DATA_IN_P3)
WE_DATA_IN_P20: J6.163(43) R603.1 U11.P1(WE_DATA_IN_P4)
WE_DATA_IN_P21: J6.167(47) R605.1 U11.N2(WE_DATA_IN_P5)
WE_DATA_IN_P22: J6.173(53) R596.1 U11.M3(WE_DATA_IN_P6)
WE_DATA_IN_P23: J6.177(57) R598.1 U11.L4(WE_DATA_IN_P7)
WE_DATA_IN_P24: J6.203(23) R652.1 U12.T1(WE_DATA_IN_P0)
WE_DATA_IN_P25: J6.207(27) R654.1 U12.R2(WE_DATA_IN_P1)
WE_DATA_IN_P26: J6.213(33) R656.1 U12.P3(WE_DATA_IN_P2)
WE_DATA_IN_P27: J6.217(37) R658.1 U12.N4(WE_DATA_IN_P3)
WE_DATA_IN_P28: J6.223(43) R660.1 U12.P1(WE_DATA_IN_P4)
WE_DATA_IN_P29: J6.227(47) R662.1 U12.N2(WE_DATA_IN_P5)
WE_DATA_IN_P30: J6.233(53) R653.1 U12.M3(WE_DATA_IN_P6)
WE_DATA_IN_P31: J6.237(57) R655.1 U12.L4(WE_DATA_IN_P7)
WE_DATA_N0: R13.2 U1.T18(EA_DATA_IN_N0) U7.H4(WE_DATA_OUT_N0)
WE_DATA_N0_SNOW4-1: R127.2 U1.H4(WE_DATA_OUT_N0) U3.T18(EA_DATA_IN_N0)
WE_DATA_N0_SNOW4-2: R355.2 U5.H4(WE_DATA_OUT_N0) U7.T18(EA_DATA_IN_N0)
WE_DATA_N0_SNOW4-3: R583.2 U9.H4(WE_DATA_OUT_N0) U11.T18(EA_DATA_IN_N0)
WE_DATA_N0_SNOW4-4: R811.2 U13.H4(WE_DATA_OUT_N0) U15.T18(EA_DATA_IN_N0)
WE_DATA_N1: R18.2 U1.R17(EA_DATA_IN_N1) U7.G3(WE_DATA_OUT_N1)
WE_DATA_N1_SNOW4-1: R129.2 U1.G3(WE_DATA_OUT_N1) U3.R17(EA_DATA_IN_N1)
WE_DATA_N1_SNOW4-2: R357.2 U5.G3(WE_DATA_OUT_N1) U7.R17(EA_DATA_IN_N1)
WE_DATA_N1_SNOW4-3: R585.2 U9.G3(WE_DATA_OUT_N1) U11.R17(EA_DATA_IN_N1)
WE_DATA_N1_SNOW4-4: R813.2 U13.G3(WE_DATA_OUT_N1) U15.R17(EA_DATA_IN_N1)
WE_DATA_N2: R16.2 U1.P16(EA_DATA_IN_N2) U7.F2(WE_DATA_OUT_N2)
WE_DATA_N2_SNOW4-1: R131.2 U1.F2(WE_DATA_OUT_N2) U3.P16(EA_DATA_IN_N2)
WE_DATA_N2_SNOW4-2: R359.2 U5.F2(WE_DATA_OUT_N2) U7.P16(EA_DATA_IN_N2)
WE_DATA_N2_SNOW4-3: R587.2 U9.F2(WE_DATA_OUT_N2) U11.P16(EA_DATA_IN_N2)
WE_DATA_N2_SNOW4-4: R815.2 U13.F2(WE_DATA_OUT_N2) U15.P16(EA_DATA_IN_N2)
WE_DATA_N3: R19.2 U1.N15(EA_DATA_IN_N3) U7.E1(WE_DATA_OUT_N3)
WE_DATA_N3_SNOW4-1: R133.2 U1.E1(WE_DATA_OUT_N3) U3.N15(EA_DATA_IN_N3)
WE_DATA_N3_SNOW4-2: R361.2 U5.E1(WE_DATA_OUT_N3) U7.N15(EA_DATA_IN_N3)
WE_DATA_N3_SNOW4-3: R589.2 U9.E1(WE_DATA_OUT_N3) U11.N15(EA_DATA_IN_N3)
WE_DATA_N3_SNOW4-4: R817.2 U13.E1(WE_DATA_OUT_N3) U15.N15(EA_DATA_IN_N3)
WE_DATA_N4: R21.2 U1.P18(EA_DATA_IN_N4) U7.F4(WE_DATA_OUT_N4)
WE_DATA_N4_SNOW4-1: R135.2 U1.F4(WE_DATA_OUT_N4) U3.P18(EA_DATA_IN_N4)
WE_DATA_N4_SNOW4-2: R363.2 U5.F4(WE_DATA_OUT_N4) U7.P18(EA_DATA_IN_N4)
WE_DATA_N4_SNOW4-3: R591.2 U9.F4(WE_DATA_OUT_N4) U11.P18(EA_DATA_IN_N4)
WE_DATA_N4_SNOW4-4: R819.2 U13.F4(WE_DATA_OUT_N4) U15.P18(EA_DATA_IN_N4)
WE_DATA_N5: R23.2 U1.N17(EA_DATA_IN_N5) U7.E3(WE_DATA_OUT_N5)
WE_DATA_N5_SNOW4-1: R137.2 U1.E3(WE_DATA_OUT_N5) U3.N17(EA_DATA_IN_N5)
WE_DATA_N5_SNOW4-2: R365.2 U5.E3(WE_DATA_OUT_N5) U7.N17(EA_DATA_IN_N5)
WE_DATA_N5_SNOW4-3: R593.2 U9.E3(WE_DATA_OUT_N5) U11.N17(EA_DATA_IN_N5)
WE_DATA_N5_SNOW4-4: R821.2 U13.E3(WE_DATA_OUT_N5) U15.N17(EA_DATA_IN_N5)
WE_DATA_N6: R14.2 U1.M16(EA_DATA_IN_N6) U7.D2(WE_DATA_OUT_N6)
WE_DATA_N6_SNOW4-1: R128.2 U1.D2(WE_DATA_OUT_N6) U3.M16(EA_DATA_IN_N6)
WE_DATA_N6_SNOW4-2: R356.2 U5.D2(WE_DATA_OUT_N6) U7.M16(EA_DATA_IN_N6)
WE_DATA_N6_SNOW4-3: R584.2 U9.D2(WE_DATA_OUT_N6) U11.M16(EA_DATA_IN_N6)
WE_DATA_N6_SNOW4-4: R812.2 U13.D2(WE_DATA_OUT_N6) U15.M16(EA_DATA_IN_N6)
WE_DATA_N7: R15.2 U1.L15(EA_DATA_IN_N7) U7.C1(WE_DATA_OUT_N7)
WE_DATA_N7_SNOW4-1: R130.2 U1.C1(WE_DATA_OUT_N7) U3.L15(EA_DATA_IN_N7)
WE_DATA_N7_SNOW4-2: R358.2 U5.C1(WE_DATA_OUT_N7) U7.L15(EA_DATA_IN_N7)
WE_DATA_N7_SNOW4-3: R586.2 U9.C1(WE_DATA_OUT_N7) U11.L15(EA_DATA_IN_N7)
WE_DATA_N7_SNOW4-4: R814.2 U13.C1(WE_DATA_OUT_N7) U15.L15(EA_DATA_IN_N7)
WE_DATA_N8: R70.2 U2.T18(EA_DATA_IN_N0) U8.H4(WE_DATA_OUT_N0)
WE_DATA_N8_SNOW4-1: R184.2 U2.H4(WE_DATA_OUT_N0) U4.T18(EA_DATA_IN_N0)
